# Altium PCB Mainboard_bc847c_bak.PcbDoc (part 2 of 2)
Units mm, origin at the board's own origin, x right, y up, seen from the top; angles counter-clockwise.
Board outline 200 x 58.2 mm, 2 copper layers (PWR, GND); 187 components, 194 nets, 654 pads, 78 vias.
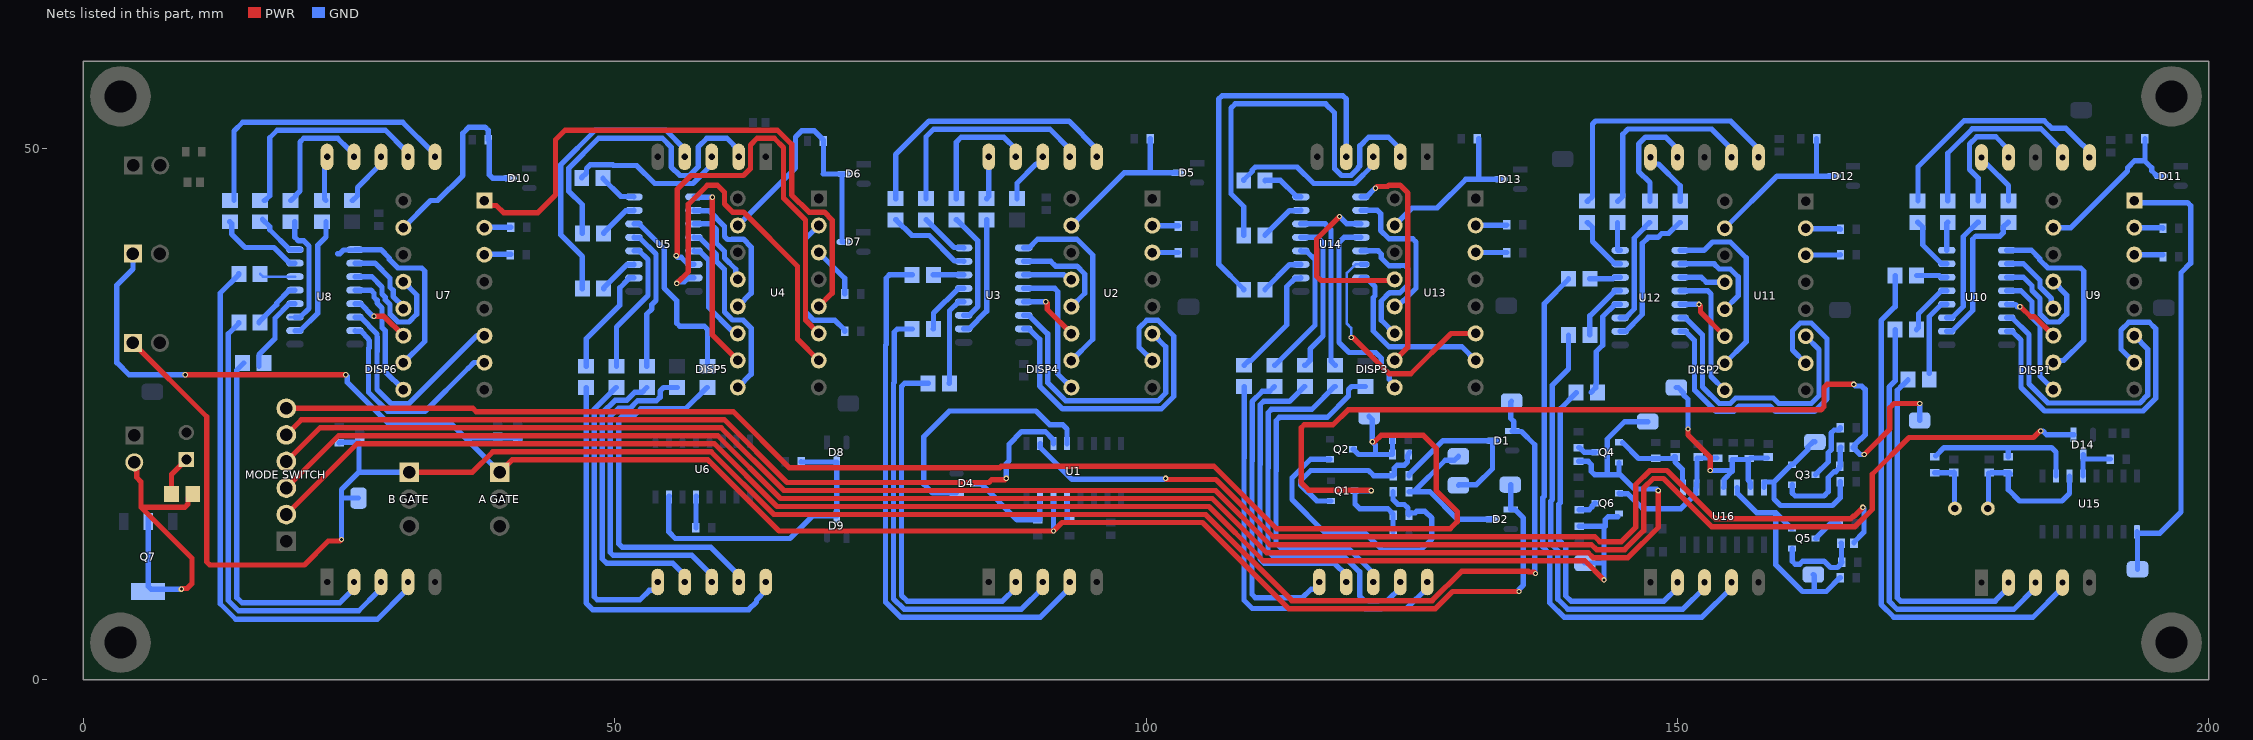
[diagram p2: the nets of this part, all layers, seen from the top]

## Via types
v1: diameter 0.5, hole 0.3, PWR to GND, 78 vias

## Nets (pads, with @x,y where several pads share a name; then routed paths per layer and width w, separated by ;. In a path a pad name is that pad's centre, name@x,y a point inside that pad or via, vN(x,y) a via of type N, cw(c..) or ccw(c..) an arc to the next point about the centre after c; other vN are vias at no path point) (continued)
"NetBramka A test_1": "A GATE.1" "A GT SW.1" C19.1 D2.1 R93.1 TP12.1 U1.14 | length 174
  PWR w0.5: v1(9.6,28.7) v1@24.6,28.7 ; 39.18,19.54 40.34,20.7 58.768,20.7 65.469,13.999 v1(91.3,13.999) 92.101,14.8 105.3,14.8 113.408,6.692 127.238,6.692 128.846,8.3 v1(135.1,8.3)
  GND w0.5: 4.67,40.1 4.67,38.67 3.154,37.154 3.154,29.846 4.3,28.7 v1(9.6,28.7) ; v1(24.7,28.7) 24.847,28.553 24.847,27.99 28.737,24.1 34.62,24.1 36.11,22.61 ; 39.18,19.54 36.11,22.61 ; R93.1@41.1,22.65 41,22.75 R93.1@40.9,22.75 36.25,22.75 36.11,22.61 ; U1.14@91.295,16.975 91.297,16.972 91.297,14.002 v1(91.3,13.999) ; TP12.1@134.3,18.361 134.313,18.347 134.313,16.028 D2.1@134.327,16.015 134.713,16.015 135.51,15.218 135.51,8.918 135.1,8.508 v1(135.1,8.3)
"NetBramka B test_1": "B GATE.1" "B GT SW.1" C20.1 D1.1 R94.1 TP13.1 TP14.1 | length 186.8
  PWR w0.5: 4.67,31.7 11.618,24.752 11.618,11.093 11.911,10.8 20.8,10.8 23.053,13.053 24.153,13.053 v1(24.3,13.2) ; 30.68,19.54 36.627,19.54 38.541,21.454 59.081,21.454 64.981,15.554 87.17,15.554 105.612,15.554 113.72,7.446 126.926,7.446 129.68,10.2 135.971,10.2 136.024,10.147 136.502,10.147 v1(136.649,10)
  GND w0.5: R94.1@24.1,22.3 24.15,22.35 25.93,22.35 25.94,22.34 25.94,19.54 ; v1(24.3,13.2) 24.3,17.1 ; TP14.1@25.9,17.1 24.3,17.1 ; 30.68,19.54 25.94,19.54 ; TP13.1@134.4,26.2 134.319,26.119 134.319,24.588 134.612,24.296 D1.1@134.612,23.415 ; D1.1@134.453,23.415 134.497,23.372 135.328,23.372 136.584,22.116 136.584,10.065 v1(136.649,10) ; 24.3,17.1 24.3,17.9 25.94,19.54
NetC1_1: C1.1 R69.1 U15.11 Y1.1 | length 14.9
  GND w0.5: Y1.1@179.217,16.117 179.28,16.18 C1.1@179.28,19.454 ; C1.1@179.511,19.482 R69.1@181.147,19.482 ; R69.1@181.347,19.367 181.232,19.482 181.147,19.397 181.147,17.88 182.21,16.817 186.19,16.817 186.9,17.527 U15.11@186.9,19.167
NetC2_1: C2.1 R70.2 Y1.2 | length 5.2
  GND w0.5: R70.2@174.217,19.467 174.242,19.492 175.999,19.492 C2.1@176.024,19.517 ; C2.1@176.071,19.471 176.071,16.163 Y1.2@176.117,16.117
NetC4_2: C4.2 Q3.1 R88.1 | length 9.2
  GND w0.5: Q3.1@160.8,18.35 160.8,17.593 161.093,17.3 163.8,17.3 164.2,17.7 164.2,19.024 164.756,19.58 164.893,19.58 165.294,19.98 R88.1@165.294,20.08 165.328,20.114 165.328,21.853 C4.2@165.362,21.887
NetC5_1: C5.1 U1.2 | length 92.8
  PWR w0.5: v1(101.845,18.955) 101.945,18.855 106.577,18.855 111.97,13.462 142.237,13.462 142.698,13.001 144.726,13.001 146.071,14.346 146.071,18.348 147.416,19.693 149.007,19.693 153.539,15.161 166.316,15.161 166.532,15.377 166.608,15.377 v1(167.454,16.222)
  GND w0.5: U1.2@90.025,22.225 90.05,22.2 90.05,21.85 93.042,18.858 101.748,18.858 v1(101.845,18.955) ; C5.1@166.615,12.867 166.615,12.942 167.569,13.896 167.569,16.108 v1(167.454,16.222)
NetC5_2: C5.2 Q5.1 R84.1 | length 8.4
  GND w0.5: Q5.1@160.8,12.35 160.8,11.168 161.093,10.875 161.507,10.875 161.798,11.166 163.802,11.166 164.408,10.56 165.072,10.56 165.365,10.853 165.365,10.96 R84.1@165.465,11.06 ; C5.2@165.415,12.867 165.44,12.842 R84.1@165.44,11.135
NetC6_2: C6.2 R78.2 R81.1 TP19.1 U16.4 U16.6 | length 20.4
  PWR w0.5: v1(151,23.6) 151,23.034 153.1,20.934 v1(153.1,19.7)
  GND w0.5: TP19.1@149.9,27.5 150.083,27.5 150.585,26.998 150.585,26.815 151,26.4 v1(151,23.6) ; v1(153.1,19.7) 155.084,19.7 155.161,19.623 ; U16.4@154.343,18.094 154.393,18.144 154.393,18.855 155.161,19.623 ; U16.6@156.883,18.094 156.883,18.569 156.661,18.791 R81.1@156.661,20.723 ; C6.2@158.465,20.873 156.911,20.873 156.761,20.723 R81.1@156.661,20.723 ; 155.161,19.623 155.161,20.723 R81.1@156.661,20.723
NetC7_2: C7.2 Q4.1 R79.2 U16.1 | length 8.7
  GND w0.5: Q4.1@144.861,22.311 146.342,20.83 R79.2@147.961,20.83 149.567,20.83 149.721,20.984 C7.2@149.796,20.984 ; C7.2@149.671,20.884 149.796,20.759 149.796,20.487 150.483,19.8 U16.1@150.483,18.569 ; U16.1@150.533,18.094 U16.1@150.533,18.569
NetC8_2: C8.2 Q6.1 R83.2 U16.2 | length 13.7
  GND w0.5: Q6.1@144.5,17.55 144.55,17.5 145.341,17.5 146.741,16.1 150.327,16.1 151.753,17.526 151.753,18.044 U16.2@151.803,18.094 151.803,18.569 151.853,18.619 151.853,20.873 R83.2@153.738,20.873
NetD3_1: D3.1 R92.1 | length 3.8
  PWR w0.5: R92.1@8.3,17.5 8.3,19.33 D3.1@9.7,20.73
NetD4_1: D4.1 U1.4 | length 24.4
  GND w0.5: D4.1@82.173,17.585 79.915,17.585 79.1,18.4 79.1,22.9 81.5,25.3 89.636,25.3 90.952,23.984 92.181,23.984 92.565,23.6 U1.4@92.565,22.225
NetD4_3: D4.3 R2.1 U1.15 | length 9.7
  GND w0.5: D4.3@84.027,18.5 84.413,18.5 87.863,15.05 90,15.05 90.012,15.062 90.012,16.625 90.012,16.962 U1.15@90.025,16.975 U1.15@90.025,16.625
NetD5_3: D5.3 R11.1 U2.15 | length 15.2
  GND w0.5: U2.15@92.98,42.74 97.94,47.7 100.444,47.7 ; R11.1@100.4,50.9 100.4,47.744 100.444,47.7 ; D5.3@102.949,47.7 100.444,47.7
NetD6_3: D6.3 D7.3 R21.1 U4.15 | length 25.5
  GND w0.5: U4.15@61.59,42.75 67.016,48.176 67.016,51.078 67.591,51.654 68.796,51.654 69.65,50.8 69.65,47.6 ; 69.6,47.6 D6.3@71.573,47.6 ; D6.3@71.44,47.6 71.4,47.56 71.4,41.24 71.44,41.2 D7.3@71.559,41.2
NetD8_3: D8.3 D9.3 R26.1 U6.15 | length 28.7
  GND w0.5: U6.15@55.125,17.275 55.1,17.25 55.1,13.9 55.7,13.3 66.5,13.3 68.627,15.427 D9.3@70.9,15.427 D8.3@70.9,20.473 70.887,20.487 67.563,20.487 R26.1@67.55,20.5 R26.1@67.538,20.512
NetD10_3: D10.3 R35.1 U7.15 | length 20.2
  GND w0.5: U7.15@30.123,42.54 32.683,45.1 33.344,45.1 35.712,47.468 35.712,51.431 36.281,52 37.801,52 38.093,51.707 R35.1@38.093,50.8 ; R35.1@38.193,50.696 38.193,50.323 38.21,50.307 38.21,47.493 38.503,47.2 D10.3@39.867,47.2
NetD11_3: D11.3 R45.1 U9.15 | length 15.7
  GND w0.5: U9.15@185.38,42.547 187.024,42.547 192.361,47.884 192.361,48.172 193.028,48.839 193.972,48.839 194.639,48.172 194.639,47.899 195.138,47.4 D11.3@195.5,47.4 ; 194,48.811 R45.1@194,50.9
NetD12_3: D12.3 R55.1 U11.15 | length 15.7
  GND w0.5: U11.15@154.461,42.485 159.37,47.394 163.1,47.394 ; R55.1@163.1,50.9 163.1,47.394 ; D12.3@164.668,47.394 163.1,47.394
NetD13_3: D13.3 R65.1 U13.15 | length 15.6
  GND w0.5: U13.15@123.39,42.75 125.04,44.4 127.4,44.4 130.1,47.1 131.3,47.1 ; R65.1@131.3,50.9 131.3,47.1 ; D13.3@133.359,47.1 131.3,47.1
NetD14_1: "MODE SWITCH.4" D14.1 | length 187
  PWR w0.5: 19.1,20.546 22.27,23.716 60.018,23.716 65.918,17.816 86.233,17.816 106.549,17.816 111.657,12.708 141.925,12.708 142.386,12.247 145.039,12.247 146.825,14.034 146.825,18.036 147.728,18.939 148.695,18.939 153.227,14.407 166.705,14.407 168.339,16.041 168.339,19.339 171.8,22.8 183.51,22.8 184.116,23.407 v1(184.188,23.407)
  GND w0.5: v1(184.188,23.407) 184.396,23.407 184.749,23.054 D14.1@187.285,23.054
NetD14_3: D14.3 R71.1 U15.12 | length 4.8
  GND w0.5: U15.12@188.17,19.167 D14.3@188.17,20.983 ; D14.3@188.2,21.201 188.2,20.838 188.267,20.771 R71.1@190.754,20.771
NetDISP1_2: DISP1.2 R41.2 | length 32.7
  GND w0.5: R41.2@171.7,28.247 171.7,28.197 171.25,27.747 171.2,27.747 170.7,27.247 170.7,7.693 170.998,7.395 179.424,7.395 179.429,7.4 179.903,7.4 181.13,8.627 DISP1.2@181.13,9.277
NetDISP1_3: DISP1.3 R40.2 | length 41.3
  GND w0.5: R40.2@170.496,32.947 170.496,28.109 169.931,27.544 169.931,7.396 170.685,6.641 181.685,6.641 183.67,8.627 DISP1.3@183.67,9.277
NetDISP1_4: DISP1.4 R39.2 | length 50.8
  GND w0.5: R39.2@170.496,38.047 170.496,35.109 169.177,33.791 169.177,7.083 170.373,5.887 183.471,5.887 186.21,8.627 DISP1.4@186.21,9.277
NetDISP1_6: DISP1.6 R38.2 | length 22.8
  GND w0.5: R38.2@172.641,45.047 172.641,48.275 176.974,52.608 184.515,52.608 185.216,51.907 186.539,51.907 188.168,50.277 188.233,50.277 188.75,49.761 DISP1.6@188.75,49.277
NetDISP1_7: DISP1.7 R37.2 | length 17.6
  GND w0.5: R37.2@175.446,45.047 175.446,49.546 177.754,51.854 184.203,51.854 186.21,49.847 DISP1.7@186.21,49.277
NetDISP1_9: DISP1.9 R42.2 | length 10.8
  GND w0.5: R42.2@178.3,45.047 178.3,47.2 177.486,48.014 177.486,50.407 178.179,51.1 179.957,51.1 181.13,49.927 DISP1.9@181.13,49.277
NetDISP1_10: DISP1.10 R43.2 | length 5.4
  GND w0.5: DISP1.10@178.59,49.277 178.59,48.816 178.913,48.493 179.158,48.493 181.154,46.497 R43.2@181.154,45.047
NetDISP2_2: DISP2.2 R51.2 | length 32
  GND w0.5: R51.2@140.471,27.035 140.471,26.985 138.992,25.506 138.992,16.658 138.846,16.512 138.846,13.139 139.5,12.485 139.5,7.9 140,7.4 148.74,7.4 150.002,8.662 DISP2.2@150.002,9.312
NetDISP2_3: DISP2.3 R50.2 | length 41.5
  GND w0.5: R50.2@139.763,32.435 139.763,29.254 138.238,27.729 138.238,16.971 138.092,16.825 138.092,12.827 138.746,12.173 138.746,7.588 139.688,6.646 150.526,6.646 152.542,8.662 DISP2.3@152.542,9.312
NetDISP2_4: DISP2.4 R49.2 | length 51.2
  GND w0.5: R49.2@139.763,37.735 139.763,37.685 137.484,35.406 137.484,17.283 137.338,17.137 137.338,12.514 137.992,11.86 137.992,7.238 139.338,5.892 152.312,5.892 155.082,8.662 DISP2.4@155.082,9.312
NetDISP2_6: DISP2.6 R48.2 | length 24.9
  GND w0.5: R48.2@141.509,45.035 141.559,45.035 142.009,45.485 142.009,52.281 142.302,52.574 155.01,52.574 157.622,49.962 DISP2.6@157.622,49.312
NetDISP2_7: DISP2.7 R47.2 | length 18.4
  GND w0.5: R47.2@144.363,45.035 144.413,45.035 144.863,45.485 144.863,51.327 145.356,51.82 153.224,51.82 155.082,49.962 DISP2.7@155.082,49.312
NetDISP2_9: DISP2.9 R52.2 | length 10.8
  GND w0.5: R52.2@147.417,45.035 147.417,46.783 146.358,47.842 146.358,50.419 147.005,51.066 148.898,51.066 150.002,49.962 DISP2.9@150.002,49.312
NetDISP2_10: DISP2.10 R53.2 | length 5.7
  GND w0.5: DISP2.10@147.462,49.312 147.462,48.852 147.785,48.528 148.229,48.528 150.271,46.485 R53.2@150.271,45.035
NetDISP3_2: DISP3.2 R58.2 | length 38.2
  GND w0.5: R58.2@109.2,41.8 109.2,44.527 107.996,45.731 107.996,53.796 108.398,54.198 116.902,54.198 117.744,53.356 117.744,48.093 118.391,47.446 119.306,47.446 119.952,48.093 119.952,48.193 120.118,48.359 120.118,50.241 120.931,51.054 122.824,51.054 123.928,49.95 DISP3.2@123.928,49.3
NetDISP3_3: DISP3.3 R57.2 | length 15
  GND w0.5: R57.2@109.2,47 109.2,47.05 109.996,47.846 109.996,47.959 110.291,48.254 114.224,48.254 115.786,46.692 119.618,46.692 121.388,48.462 DISP3.3@121.388,49.3
NetDISP3_4: DISP3.4 R62.2 | length 36.5
  GND w0.5: R62.2@109.2,36.7 109.2,36.75 106.836,39.114 106.836,54.643 107.145,54.952 118.54,54.952 118.848,54.643 DISP3.4@118.848,49.3
NetDISP3_6: DISP3.6 R61.2 | length 28.2
  GND w0.5: R61.2@112.091,27.6 111.641,27.15 110.95,27.15 109.991,26.191 109.991,20.589 109.968,20.566 109.968,8.049 110.284,7.733 114.741,7.733 115.524,8.516 115.985,8.516 116.308,8.839 DISP3.6@116.308,9.3
NetDISP3_7: DISP3.7 R60.2 | length 28.7
  GND w0.5: R60.2@114.946,27.6 114.896,27.6 113.496,26.2 111.066,26.2 110.745,25.879 110.745,20.277 110.722,20.253 110.722,11.37 111.138,10.954 117.744,10.954 118.848,9.85 DISP3.7@118.848,9.3
NetDISP3_8: DISP3.8 R68.2 | length 32.7
  GND w0.5: R68.2@120.654,27.6 119.347,27.6 119.054,27.307 119.054,26.691 117.055,24.692 112.546,24.692 112.253,24.399 112.253,19.652 112.23,19.629 112.23,12.878 112.646,12.462 118.964,12.462 121.388,10.038 DISP3.8@121.388,9.3
NetDISP3_9: DISP3.9 R59.2 | length 37.2
  GND w0.5: R59.2@117.8,27.6 117.75,27.6 115.596,25.446 111.792,25.446 111.499,25.153 111.499,19.964 111.476,19.941 111.476,12.124 111.892,11.708 118.552,11.708 120.1,10.16 120.1,7.893 120.539,7.454 120.923,7.454 120.931,7.446 121.846,7.446 121.854,7.454 122.732,7.454 123.928,8.65 DISP3.9@123.928,9.3
NetDISP3_10: DISP3.10 R63.2 | length 39.2
  GND w0.5: R63.2@109.237,27.6 109.237,20.901 109.214,20.878 109.214,7.486 110,6.7 120.611,6.7 120.619,6.692 122.158,6.692 122.166,6.7 124.518,6.7 126.468,8.65 DISP3.10@126.468,9.3
NetDISP4_2: DISP4.2 R7.2 | length 34.4
  GND w0.5: R7.2@79.5,27.9 77.293,27.9 77,27.607 77,7.933 77.533,7.4 86.49,7.4 87.74,8.65 DISP4.2@87.74,9.3
NetDISP4_3: DISP4.3 R6.2 | length 42.8
  GND w0.5: R6.2@77.991,33 76.607,33 76.314,32.707 76.314,27.988 76.246,27.919 76.246,7.62 77.22,6.646 88.276,6.646 90.28,8.65 DISP4.3@90.28,9.3
NetDISP4_4: DISP4.4 R5.2 | length 52.8
  GND w0.5: R5.2@77.991,38.1 75.853,38.1 75.56,37.807 75.56,31.565 75.492,31.497 75.492,7.308 76.908,5.892 90.062,5.892 92.82,8.65 DISP4.4@92.82,9.3
NetDISP4_6: DISP4.6 R4.2 | length 26.1
  GND w0.5: R4.2@76.444,45.274 76.446,45.277 76.446,49.412 79.596,52.562 92.748,52.562 95.36,49.95 DISP4.6@95.36,49.3
NetDISP4_7: DISP4.7 R3.2 | length 21.1
  GND w0.5: R3.2@79.298,45.274 79.298,51.098 80.008,51.808 85.97,51.808 85.978,51.8 90.97,51.8 92.82,49.95 DISP4.7@92.82,49.3
NetDISP4_8: DISP4.8 R23.2 | length 5.2
  GND w0.5: R23.2@87.861,45.274 87.861,46.724 89.653,48.516 89.957,48.516 90.28,48.839 DISP4.8@90.28,49.3
NetDISP4_9: DISP4.9 R8.2 | length 12.2
  GND w0.5: R8.2@82.152,45.274 82.152,50.607 82.599,51.054 85.657,51.054 85.665,51.046 86.644,51.046 87.74,49.95 DISP4.9@87.74,49.3
NetDISP4_10: DISP4.10 R9.2 | length 4.1
  GND w0.5: R9.2@85.006,45.274 85.2,45.468 DISP4.10@85.2,49.3
NetDISP5_2: DISP5.2 R14.2 | length 30
  GND w0.5: R14.2@46.962,42 46.962,44.696 45.696,45.962 45.696,48.159 48.491,50.954 54.509,50.954 55.322,50.141 55.322,48.259 56.134,47.446 57.049,47.446 57.862,48.259 57.862,50.141 58.674,50.954 60.568,50.954 61.672,49.85 DISP5.2@61.672,49.2
NetDISP5_3: DISP5.3 R13.2 | length 15.2
  GND w0.5: R13.2@46.9,47.25 47.35,47.7 47.35,48.107 47.697,48.454 49.809,48.454 49.863,48.4 52.07,48.4 53.778,46.692 57.361,46.692 59.132,48.462 DISP5.3@59.132,49.2
NetDISP5_4: DISP5.4 R18.2 | length 27
  GND w0.5: R18.2@46.962,36.8 46.962,39.837 44.942,41.857 44.942,48.471 48.179,51.708 54.821,51.708 56.592,49.938 DISP5.4@56.592,49.2
NetDISP5_6: DISP5.6 R17.2 | length 27.6
  GND w0.5: R17.2@50.171,27.5 50.121,27.5 48.07,25.45 48.07,7.822 48.363,7.529 52.381,7.529 53.268,8.416 53.728,8.416 54.052,8.739 DISP5.6@54.052,9.2
NetDISP5_7: DISP5.7 R16.2 | length 28
  GND w0.5: R16.2@53.025,27.5 52.575,27.05 51.884,27.05 51.13,26.296 50.033,26.296 48.824,25.087 48.824,11.393 49.263,10.954 55.488,10.954 56.592,9.85 DISP5.7@56.592,9.2
NetDISP5_8: DISP5.8 R24.2 | length 31.6
  GND w0.5: R24.2@55.879,27.5 54.6,27.5 54.279,27.179 54.279,26.591 53.942,26.254 52.154,26.254 51.442,25.542 50.365,25.542 49.578,24.756 49.578,12.001 49.871,11.708 57.274,11.708 59.132,9.85 DISP5.8@59.132,9.2
NetDISP5_9: DISP5.9 R15.2 | length 34.4
  GND w0.5: R15.2@58.734,27.5 58.684,27.5 56.684,25.5 52.466,25.5 51.754,24.788 50.693,24.788 50.4,24.495 50.4,12.778 50.693,12.485 59.037,12.485 61.672,9.85 DISP5.9@61.672,9.2
NetDISP5_10: DISP5.10 R19.2 | length 39.1
  GND w0.5: R19.2@47.316,27.5 47.316,7.216 47.933,6.6 62.607,6.6 63.342,7.335 63.342,7.51 64.212,8.379 DISP5.10@64.212,9.2
NetDISP6_2: DISP6.2 R31.2 | length 34.4
  GND w0.5: R31.2@15.1,29.8 14.443,29.143 14.443,7.733 14.93,7.246 24.139,7.246 24.451,7.558 25.243,8.35 DISP6.2@25.243,9
NetDISP6_3: DISP6.3 R30.2 | length 42.5
  GND w0.5: R30.2@14.643,33.6 14.643,33.55 13.643,32.55 13.643,27 13.639,26.751 13.639,7.47 13.786,7.324 14.618,6.492 25.925,6.492 27.783,8.35 DISP6.3@27.783,9
NetDISP6_4: DISP6.4 R29.2 | length 51.6
  GND w0.5: R29.2@14.643,38.2 14.643,38.15 12.885,36.392 12.885,7.158 14.343,5.7 27.673,5.7 30.323,8.35 DISP6.4@30.323,9
NetDISP6_6: DISP6.6 R28.2 | length 27.4
  GND w0.5: R28.2@14.189,45.1 14.189,51.646 15.005,52.462 30.051,52.462 32.863,49.65 DISP6.6@32.863,49
NetDISP6_7: DISP6.7 R27.2 | length 20.8
  GND w0.5: R27.2@17.043,45.1 17.093,45.1 17.543,45.55 17.543,51 18.251,51.708 28.435,51.708 30.323,49.82 DISP6.7@30.323,49
NetDISP6_8: DISP6.8 R67.2 | length 5
  GND w0.5: R67.2@25.298,45.1 25.348,45.1 25.798,45.55 25.798,46.328 27.791,48.321 DISP6.8@27.791,48.992
NetDISP6_9: DISP6.9 R32.2 | length 12.2
  GND w0.5: R32.2@19.498,45.1 19.548,45.1 19.998,45.55 19.998,45.6 20.398,46 20.398,50.607 20.745,50.954 23.939,50.954 24.91,49.984 25.157,49.984 25.243,49.897 DISP6.9@25.243,49
NetDISP6_10: DISP6.10 R33.2 | length 4
  GND w0.5: DISP6.10@22.703,49 22.703,45.24 R33.2@22.843,45.1
"NetPrelacznik trybu_2": "MODE SWITCH.2" Q6.2 R85.1 TP18.1 | length 143.3
  PWR w0.5: 19.1,15.546 25.762,22.208 59.393,22.208 65.293,16.308 86.858,16.308 105.925,16.308 111.033,11.2 141.3,11.2 v1(143.1,9.4)
  GND w0.5: R85.1@140.774,14.45 143.2,14.45 143.2,15.057 143.493,15.35 144.4,15.35 ; TP18.1@141.3,10.989 143.011,10.989 143.1,10.9 ; v1(143.1,9.4) 143.1,10.9 ; 143.1,14.45 143.1,10.9
"NetPrelacznik trybu_3": "MODE SWITCH.3" Q4.2 R82.1 TP16.1 | length 158.6
  PWR w0.5: 19.1,18.046 24.016,22.962 59.705,22.962 65.605,17.062 86.546,17.062 106.237,17.062 111.345,11.954 141.612,11.954 142.073,11.493 145.351,11.493 148.2,14.342 v1(148.2,17.8)
  GND w0.5: R82.1@140.7,20.55 141.607,20.55 141.9,20.257 141.9,19.6 142.2,19.3 143.404,19.3 ; Q4.2@144.5,20.45 144.5,19.407 144.607,19.3 ; TP16.1@147.2,24.29 145.053,24.29 143.404,22.641 143.404,19.3 ; v1(148.2,17.8) 148.053,17.947 145.96,17.947 144.607,19.3 ; 143.404,19.3 144.607,19.3
"NetPrelacznik trybu_5": "MODE SWITCH.5" U1.3 | length 79.6
  PWR w0.5: 19.1,23.046 20.524,24.47 60.33,24.47 66.23,18.57 85.209,18.57 85.459,18.82 86.709,18.82 v1(86.844,18.955)
  GND w0.5: v1(86.844,18.955) 86.85,18.961 86.85,20.34 87.1,20.59 87.1,22.154 88.3,23.354 90.516,23.354 91.295,22.575 U1.3@91.295,22.225
NetQ1_1: Q1.1 R74.1 R76.2 | length 16.4
  GND w0.5: Q1.1@117.4,16.821 116.079,16.821 114.557,18.343 114.557,18.757 115.5,19.7 120.937,19.7 121.437,19.2 R76.2@123.25,19.2 123.35,19.3 123.35,19.907 123.643,20.2 124.307,20.2 124.6,20.493 124.6,21.103 R74.1@124.697,21.2 124.697,21.3 R74.1@124.797,21.4
NetQ2_1: Q2.1 R75.2 R77.2 | length 29.7
  GND w0.5: Q2.1@117.3,20.75 115.484,20.75 113.738,19.004 113.738,16.962 116.73,13.97 120.482,13.97 122.26,12.192 125.853,12.192 126.9,13.239 126.9,15.207 126.253,15.854 125.488,15.854 125.334,15.7 124.85,15.7 124.75,15.6 R75.2@124.75,15.5 124.65,15.6 124.65,16.15 124.3,16.5 123.7,16.5 123.25,16.95 R77.2@123.25,17.7
NetQ3_2: Q3.2 R87.1 TP15.1 U16.7 | length 16.9
  GND w0.5: U16.7@158.153,18.094 158.153,18.569 158.203,18.619 159.094,18.619 ; TP15.1@162.947,22.386 162.764,22.386 162.262,21.884 162.262,21.637 160.875,20.25 Q3.2@160.8,20.25 160.725,20.25 159.094,18.619 ; R87.1@165.315,18.626 165.315,17.115 164.6,16.4 159.716,16.4 159.094,17.023 159.094,18.619
NetQ3_3: Q3.3 R80.2 | length 5.6
  GND w0.5: Q3.3@163,19.3 164.2,20.5 164.2,21.371 164.467,21.638 164.467,23.213 164.76,23.506 165.215,23.506 165.315,23.606 R80.2@165.315,23.706
NetQ4_3: Q4.3 R86.2 | length 1.8
  GND w0.5: R86.2@140.7,21.85 140.8,21.85 141.25,21.4 Q4.3@142.3,21.4
NetQ5_2: Q5.2 R91.1 TP17.1 U16.5 | length 21.2
  GND w0.5: U16.5@155.613,18.094 155.663,18.044 155.663,17.526 157.484,15.705 159.27,15.705 ; Q5.2@160.8,14.25 160.725,14.25 159.27,15.705 ; TP17.1@162.8,9.9 162.894,9.806 162.894,8.3 ; R91.1@165.315,9.606 164.009,8.3 162.894,8.3 ; 159.27,15.705 159.27,10.809 161.779,8.3 162.894,8.3
NetQ5_3: Q5.3 R89.2 | length 2.8
  GND w0.5: Q5.3@163,13.3 163.075,13.3 163.125,13.35 163.125,13.425 164.372,14.672 R89.2@165.215,14.672
NetQ6_3: Q6.3 R90.2 | length 1.8
  GND w0.5: R90.2@140.774,16.004 141.704,16.004 141.997,16.297 141.997,16.372 142.225,16.6 Q6.3@142.3,16.6
NetQ7_2: PWR.2 Q7.2 Q7.4 R92.2 | length 30.3
  PWR w0.5: PWR.2@4.8,20.46 5.03,20.23 5.03,19.03 5.43,18.63 5.43,16.237 ; v1(9.232,8.532) 9.284,8.584 9.771,8.584 10.23,9.043 10.23,11.437 5.43,16.237 ; R92.2@10.3,17.5 9.85,17.05 9.85,16.529 9.557,16.237 5.43,16.237
  GND w0.5: Q7.4@6.1,8.8 6.368,8.532 v1@9.159,8.532 ; Q7.4@6.101,8.801 Q7.2@6.101,15.399
NetR1_1: R1.1 U1.13 | length 2.3
  GND w0.5: U1.13@92.565,16.625 U1.13@92.565,16.975 92.582,16.957 92.582,15.067 R1.1@92.6,15.05
NetR3_1: R3.1 U3.16 | length 4.6
  GND w0.5: R3.1@79.298,43.274 79.348,43.274 81.949,40.674 82.817,40.674 U3.16@82.846,40.645
NetR4_1: R4.1 U3.15 | length 8
  GND w0.5: R4.1@76.444,43.274 76.494,43.274 77.968,41.8 79.6,41.8 81.996,39.404 82.817,39.404 U3.15@82.846,39.375
NetR5_1: R5.1 U3.14 | length 2.9
  GND w0.5: R5.1@79.991,38.1 79.996,38.105 U3.14@82.846,38.105
NetR6_1: R6.1 U3.13 | length 5.3
  GND w0.5: R6.1@79.991,33 80.011,33.019 80.011,34.5 82.346,36.835 U3.13@82.846,36.835
NetR7_1: R7.1 U3.12 | length 8.5
  GND w0.5: R7.1@81.5,27.9 81.509,27.909 81.509,34.728 82.346,35.565 U3.12@82.846,35.565
NetR8_1: R8.1 U3.11 | length 10.7
  GND w0.5: R8.1@82.152,43.274 82.202,43.274 84.175,41.302 84.175,35.124 83.346,34.295 U3.11@82.846,34.295
NetR9_1: R9.1 U3.10 | length 11.4
  GND w0.5: U3.10@82.846,33.025 83.346,33.025 85.006,34.686 R9.1@85.006,43.274
NetR10_1: R10.1 U2.2 | length 2.5
  GND w0.5: U2.2@100.6,42.74 100.62,42.72 103.03,42.72 R10.1@103.05,42.7
NetR12_1: R12.1 U2.3 | length 2.5
  GND w0.5: U2.3@100.6,40.2 R12.1@103.05,40.2
NetR13_1: R13.1 U5.16 | length 3.7
  GND w0.5: R13.1@48.9,47.2 48.9,47.15 50.581,45.469 51.788,45.469 U5.16@51.816,45.44
NetR14_1: R14.1 U5.15 | length 3.8
  GND w0.5: R14.1@48.962,42 48.962,42.05 51.054,44.141 51.788,44.141 U5.15@51.816,44.17
NetR15_1: R15.1 U5.14 | length 17.9
  GND w0.5: U5.14@51.816,42.9 52.316,42.9 54.653,40.563 54.653,36.875 55.839,35.689 55.839,33.559 56.132,33.266 58.441,33.266 58.734,32.974 R15.1@58.734,29.5
NetR16_1: R16.1 U5.13 | length 13.6
  GND w0.5: U5.13@51.816,41.63 51.865,41.581 52.365,41.581 53.899,40.047 53.899,38.594 53.899,35.699 53.5,35.3 53.5,34.886 53.025,34.411 R16.1@53.025,29.5
NetR17_1: R17.1 U5.12 | length 12.9
  GND w0.5: R17.1@50.171,29.5 50.171,33.204 53.145,36.179 53.145,39.531 52.316,40.36 U5.12@51.816,40.36
NetR18_1: R18.1 U5.11 | length 3.8
  GND w0.5: R18.1@48.962,36.8 48.962,36.85 51.174,39.061 51.788,39.061 U5.11@51.816,39.09
NetR19_1: R19.1 U5.10 | length 10.5
  GND w0.5: R19.1@47.316,29.5 47.316,32.083 50.487,35.254 50.487,36.893 51.241,37.647 51.241,37.704 51.357,37.82 U5.10@51.816,37.82
NetR20_1: R20.1 U4.2 | length 13.4
  GND w0.5: U4.2@69.21,42.479 U4.2@69.21,42.75 67.956,41.496 67.956,34.611 68.723,33.844 70.706,33.844 71.65,32.9 R20.1@71.65,32.8
NetR22_1: R22.1 U4.3 | length 4.9
  GND w0.5: U4.3@69.21,40.21 71.65,37.77 R22.1@71.65,36.3
NetR25_1: R25.1 U6.13 | length 3
  GND w0.5: R25.1@57.65,14.3 57.658,14.307 57.658,17.197 U6.13@57.665,17.204 U6.13@57.665,17.275
NetR27_1: R27.1 U8.16 | length 4.9
  GND w0.5: R27.1@16.868,43.325 17.543,42.65 17.543,42.346 19.418,40.471 U8.16@19.918,40.471 U8.16@20.418,40.471
NetR28_1: R28.1 U8.15 | length 8.3
  GND w0.5: R28.1@13.789,43.1 13.957,42.932 13.957,41.943 15.223,40.677 17.942,40.677 19.418,39.201 U8.15@19.918,39.201
NetR29_1: R29.1 U8.14 | length 3.4
  GND w0.254: R29.1@16.643,38.2 16.913,37.931 U8.14@19.918,37.931
NetR30_1: R30.1 U8.13 | length 4.8
  GND w0.5: R30.1@16.543,33.6 16.543,33.65 18.192,35.298 18.192,35.434 19.418,36.661 U8.13@19.918,36.661
NetR31_1: R31.1 U8.12 | length 7.4
  GND w0.5: R31.1@16.543,29.5 R31.1@16.543,30.4 ; 16.543,30.6 18.043,32.1 18.043,34.016 19.418,35.391 U8.12@19.918,35.391
NetR32_1: R32.1 U8.11 | length 11.2
  GND w0.254: U8.11@19.418,34.121 U8.11@19.918,34.121
  GND w0.5: R32.1@19.898,43.1 19.898,41.65 20.248,41.3 20.762,41.3 21.247,40.814 21.247,34.95 20.418,34.121 U8.11@19.918,34.121
NetR33_1: R33.1 U8.10 | length 11.8
  GND w0.5: U8.10@19.918,32.851 20.418,32.851 22.05,34.483 22.05,40.884 22.843,41.677 R33.1@22.843,43.1
NetR34_1: R34.1 U7.2 | length 2.5
  GND w0.5: U7.2@37.743,42.54 37.773,42.57 40.213,42.57 R34.1@40.243,42.6
NetR36_1: R36.1 U7.3 | length 2.5
  GND w0.5: U7.3@37.743,40 37.793,40.05 R36.1@40.243,40.05
NetR37_1: R37.1 U10.16 | length 2.7
  GND w0.5: U10.16@175.35,40.417 175.35,42.951 R37.1@175.446,43.047
NetR38_1: R38.1 U10.15 | length 5.4
  GND w0.5: R38.1@172.591,43.047 172.641,43.047 173.091,42.597 173.091,40.906 174.85,39.147 U10.15@175.35,39.147
NetR39_1: R39.1 U10.14 | length 2.9
  GND w0.5: R39.1@172.496,38.047 174.64,38.047 174.809,37.877 U10.14@175.35,37.877
NetR40_1: R40.1 U10.13 | length 5.1
  GND w0.5: R40.1@172.496,32.947 172.689,33.14 172.689,34.447 174.85,36.607 U10.13@175.35,36.607
NetR41_1: R41.1 U10.12 | length 7.5
  GND w0.5: R41.1@173.7,28.846 173.7,34.187 174.85,35.337 U10.12@175.35,35.337
NetR42_1: R42.1 U10.11 | length 10.5
  GND w0.5: U10.11@175.35,34.067 175.85,34.067 176.9,35.117 176.9,41.697 178.25,43.047 R42.1@178.3,43.047
NetR43_1: R43.1 U10.10 | length 14.3
  GND w0.5: U10.10@175.35,32.797 175.85,32.797 177.8,34.747 177.8,41.454 178.093,41.747 180.361,41.747 180.654,42.04 180.654,42.597 181.104,43.047 R43.1@181.154,43.047
NetR44_1: R44.1 U9.2 | length 2.7
  GND w0.5: U9.2@193,42.547 193.023,42.523 195.677,42.523 R44.1@195.7,42.5
NetR46_1: R46.1 U9.3 | length 2.7
  GND w0.5: U9.3@193.02,40.027 U9.3@193,40.007 193.003,40.003 195.697,40.003 R46.1@195.7,40
NetR47_1: R47.1 U12.16 | length 2.8
  GND w0.5: R47.1@144.363,43.035 144.363,40.475 144.432,40.406 U12.16@144.617,40.406
NetR48_1: R48.1 U12.15 | length 5.5
  GND w0.5: R48.1@141.509,43.035 141.559,43.035 142.009,42.585 142.009,41.245 144.117,39.136 U12.15@144.617,39.136
NetR49_1: R49.1 U12.14 | length 2.9
  GND w0.5: R49.1@141.763,37.735 143.946,37.735 144.077,37.866 U12.14@144.617,37.866
NetR50_1: R50.1 U12.13 | length 5.6
  GND w0.5: R50.1@141.763,32.435 141.763,34.242 144.117,36.596 U12.13@144.617,36.596
NetR51_1: R51.1 U12.12 | length 9.7
  GND w0.5: R51.1@141.871,27.035 142.321,27.485 142.321,27.778 142.371,27.828 142.371,30.881 142.98,31.49 142.98,34.189 144.117,35.326 U12.12@144.617,35.326
NetR52_1: R52.1 U12.11 | length 10.5
  GND w0.5: U12.11@144.617,34.056 145.117,34.056 145.946,34.885 145.946,41.564 146.917,42.535 146.917,42.585 147.367,43.035 R52.1@147.417,43.035
NetR53_1: R53.1 U12.10 | length 13.8
  GND w0.5: U12.10@144.617,32.786 145.117,32.786 146.7,34.369 146.7,41.064 147.271,41.635 148.18,41.635 148.534,41.989 149.175,41.989 150.221,43.035 R53.1@150.271,43.035
NetR54_1: R54.1 U11.2 | length 3.3
  GND w0.5: U11.2@162.081,42.485 162.124,42.443 165.307,42.443 R54.1@165.35,42.4
NetR56_1: R56.1 U11.3 | length 3.3
  GND w0.5: U11.3@162.086,39.94 U11.3@162.081,39.945 162.109,39.973 165.323,39.973 R56.1@165.35,40
NetR57_1: R57.1 U14.16 | length 4.1
  GND w0.5: R57.1@111.2,46.95 R57.1@111.2,47 112.65,47 114.046,45.604 114.046,45.514 114.116,45.445 U14.16@114.575,45.445
NetR58_1: R58.1 U14.15 | length 4.4
  GND w0.5: R58.1@111.2,41.8 111.2,41.85 113.496,44.146 114.546,44.146 U14.15@114.575,44.175
NetR59_1: R59.1 U14.14 | length 16
  GND w0.5: U14.14@114.575,42.905 116.853,42.905 117.412,42.346 117.412,29.988 R59.1@117.8,29.6
NetR60_1: R60.1 U14.13 | length 14.6
  GND w0.5: U14.13@114.575,41.635 116.15,41.635 116.658,41.127 116.658,32.346 115.446,31.133 115.446,30.05 114.996,29.6 R60.1@114.946,29.6
NetR61_1: R61.1 U14.12 | length 13.2
  GND w0.5: R61.1@112.091,29.6 112.141,29.6 115.904,33.363 115.904,39.536 115.124,40.316 114.624,40.316 U14.12@114.575,40.365
NetR62_1: R62.1 U14.11 | length 4.9
  GND w0.5: R62.1@111.2,36.7 111.2,36.75 113.516,39.066 114.546,39.066 U14.11@114.575,39.095 U14.11@114.075,39.095
NetR63_1: R63.1 U14.10 | length 10.9
  GND w0.5: R63.1@109.237,29.6 109.687,30.05 109.907,30.05 113.246,33.389 113.246,36.996 114.026,37.776 114.526,37.776 U14.10@114.575,37.825
NetR64_1: R64.1 U13.2 | length 3
  GND w0.5: U13.2@131.01,42.75 131.035,42.775 133.925,42.775 R64.1@133.95,42.8
NetR66_1: R66.1 U13.3 | length 2.9
  GND w0.5: U13.3@131.01,40.21 131.015,40.205 133.945,40.205 R66.1@133.95,40.2
NetR69_2: R69.2 R70.1 U15.10 | length 15
  GND w0.5: R70.1@174.317,21.067 175.096,21.846 181.117,21.846 ; R69.2@181.147,20.967 181.147,21.816 181.117,21.846 ; U15.10@185.63,19.167 185.63,21.417 185.201,21.846 181.117,21.846
NetTP6_1: TP6.1 U9.1 U15.1 | length 43.2
  GND w0.5: U9.1@193,45.087 193.186,44.901 196.35,44.901 ; U15.1@193.25,13.917 U15.1@193.25,13.825 ; TP6.1@193.3,10.4 193.3,13.517 193.25,13.567 U15.1@193.25,13.825 ; 196.35,44.9 198.007,44.9 198.3,44.607 198.3,39.2 197.4,38.3 197.4,15.8 195.4,13.8 193.275,13.8 U15.1@193.25,13.825
NetU2_6: U2.6 U3.6 | length 25.8
  GND w0.5: U3.6@88.496,34.295 88.996,34.295 90.743,32.548 90.743,27.964 92.461,26.246 101.119,26.246 101.854,26.981 101.854,31.326 U2.6@100.6,32.58
NetU2_7: U2.7 U3.7 | length 33.7
  GND w0.5: U3.7@88.496,33.025 88.996,33.025 89.989,32.032 89.989,27.652 92.148,25.492 101.432,25.492 102.608,26.668 102.608,32.345 101.119,33.834 100.081,33.834 99.346,33.099 99.346,31.294 U2.7@100.6,30.04
NetU2_9: U2.9 U3.4 | length 12.9
  GND w0.5: U3.4@88.496,36.835 91.407,36.835 91.7,36.542 91.7,28.78 U2.9@92.98,27.5
NetU2_10: U2.10 U3.1 | length 18.2
  GND w0.5: U3.1@88.496,40.645 88.996,40.645 89.805,41.454 93.499,41.454 94.988,39.965 94.988,32.048 U2.10@92.98,30.04
NetU2_11: U2.11 U3.5 | length 6.1
  PWR w0.5: v1(90.561,35.565) 90.708,35.418 90.708,34.852 U2.11@92.98,32.58
  GND w0.5: U3.5@88.496,35.565 v1(90.561,35.565)
NetU2_12: U2.12 U3.2 | length 9.8
  GND w0.5: U3.2@88.496,39.375 91.033,39.375 91.483,38.925 93.489,38.925 94.234,38.179 94.234,36.374 U2.12@92.98,35.12
NetU2_13: U2.13 U3.3 | length 4.7
  GND w0.5: U3.3@88.496,38.105 92.264,38.105 92.709,37.66 U2.13@92.98,37.66
NetU4_5: U4.5 U7.1 | length 54.4
  PWR w0.5: U7.1@37.743,45.08 38.186,44.638 38.862,44.638 39.539,43.961 42.772,43.961 44.431,45.62 44.431,50.814 45.325,51.708 65.333,51.708 66.652,50.389 66.652,45.635 68.283,44.004 69.729,44.004 70.464,43.269 70.464,36.384 U4.5@69.21,35.13
NetU4_6: U4.6 U5.6 | length 40.8
  PWR w0.5: v1(55.792,39.91) 55.9,40.017 55.9,46.166 57.18,47.446 62.129,47.446 62.776,48.093 62.776,50.327 63.403,50.954 65.021,50.954 65.898,50.077 65.898,45.323 67.956,43.265 67.956,33.844 U4.6@69.21,32.59
  GND w0.5: v1(55.792,39.91) 55.94,39.763 56.253,39.763 56.926,39.09 U5.6@57.466,39.09
NetU4_7: U4.7 U5.7 | length 34.3
  PWR w0.5: v1(55.839,37.3) 56.931,38.392 56.931,44.745 58.725,46.539 59.669,46.539 60.336,45.872 60.336,44.771 61.103,44.004 62.109,44.004 67.202,38.911 67.202,32.058 U4.7@69.21,30.05
  GND w0.5: v1(55.839,37.3) 55.986,37.447 56.553,37.447 56.926,37.82 U5.7@57.466,37.82
NetU4_9: U4.9 U5.4 | length 17.7
  GND w0.5: U5.4@57.466,41.63 57.515,41.581 58.015,41.581 59.582,40.014 59.582,39.378 60.336,38.624 60.336,34.611 61.087,33.86 62.093,33.86 62.844,33.109 62.844,28.764 U4.9@61.59,27.51
NetU4_10: U4.10 U5.1 | length 18.1
  PWR w0.5: v1(59.197,45.4) 59.197,32.443 U4.10@61.59,30.05
  GND w0.5: U5.1@57.466,45.44 57.486,45.42 59.177,45.42 v1(59.197,45.4)
NetU4_11: U4.11 U5.5 | length 9.9
  GND w0.5: U5.5@57.466,40.36 57.515,40.311 58.015,40.311 58.828,39.498 58.828,35.052 61.099,32.781 61.399,32.781 U4.11@61.59,32.59
NetU4_12: U4.12 U5.2 | length 13.5
  GND w0.5: U5.2@57.466,44.17 57.495,44.141 58.867,44.141 60.336,42.672 60.336,41.729 60.629,41.437 61.043,41.437 61.071,41.464 62.109,41.464 62.844,40.729 62.844,36.384 U4.12@61.59,35.13
NetU4_13: U4.13 U5.3 | length 7.9
  GND w0.5: U5.3@57.466,42.9 59.041,42.9 59.582,42.359 59.582,41.081 60.336,40.327 60.336,39.691 61.399,38.628 61.399,37.861 U4.13@61.59,37.67
NetU7_6: U7.6 U8.6 | length 20.6
  GND w0.5: U8.6@25.568,34.121 26.068,34.121 27.643,32.546 27.643,32.244 27.651,32.236 27.651,30.925 27.643,30.917 27.643,27.327 28.97,26 30.663,26 U7.6@37.053,32.39
NetU7_7: U7.7 U8.7 | length 19.5
  GND w0.5: U8.7@25.568,32.851 25.617,32.802 26.117,32.802 26.843,32.076 26.843,31.978 26.897,31.924 26.897,31.237 26.843,31.183 26.843,27.06 28.658,25.246 32.15,25.246 36.222,29.318 36.251,29.318 36.783,29.85 U7.7@37.053,29.85
NetU7_9: U7.9 U8.4 | length 12.1
  GND w0.5: U8.4@25.568,36.661 27.069,36.661 27.361,36.368 27.361,35.996 27.651,35.706 27.651,35.453 28.115,34.989 28.115,33.14 28.405,32.85 28.405,29.018 U7.9@30.123,27.3
NetU7_10: U7.10 U8.1 | length 18.7
  GND w0.5: 23.943,40.1 24.152,40.1 24.494,40.442 25.54,40.442 U8.1@25.568,40.471 27.999,40.471 28.801,39.668 28.801,39.549 29.604,38.746 31.839,38.746 32.131,38.453 32.131,31.848 U7.10@30.123,29.84
NetU7_11: U7.11 U8.5 | length 5.8
  PWR w0.5: v1(27.361,34.2) 28.303,34.2 U7.11@30.123,32.38
  GND w0.5: U8.5@25.568,35.391 26.068,35.391 27.259,34.2 v1(27.361,34.2)
NetU7_12: U7.12 U8.2 | length 7.3
  GND w0.5: U8.2@25.568,39.201 27.451,39.201 28.869,37.782 28.869,36.941 29.159,36.651 29.159,36.077 30.123,35.113 U7.12@30.123,34.92
NetU7_13: U7.13 U8.3 | length 12.5
  GND w0.5: U8.3@25.568,37.931 27.143,37.931 28.115,36.959 28.115,36.308 28.405,36.018 28.405,35.765 28.869,35.301 28.869,34.401 29.604,33.666 30.643,33.666 31.377,34.401 31.377,36.206 U7.13@30.123,37.46
NetU9_6: U9.6 U10.6 | length 25.7
  GND w0.5: U10.6@181,34.067 181.5,34.067 183.083,32.484 183.083,27.83 184.861,26.053 193.519,26.053 194.254,26.787 194.254,31.133 U9.6@193,32.387
NetU9_7: U9.7 U10.7 | length 34.2
  GND w0.5: U10.7@181,32.797 181.5,32.797 182.329,31.968 182.329,27.518 184.548,25.299 193.832,25.299 195.008,26.475 195.008,33.039 194.406,33.641 192.481,33.641 191.746,32.906 191.746,31.101 U9.7@193,29.847
NetU9_9: U9.9 U10.4 | length 11.9
  GND w0.5: U10.4@181,36.607 182.333,36.607 183.372,35.569 183.372,34.095 184.126,33.341 184.126,28.561 U9.9@185.38,27.307
NetU9_10: U9.10 U10.1 | length 18.4
  GND w0.5: U10.1@181,40.417 183.313,40.417 184.087,39.643 184.087,39.527 184.861,38.753 187.946,38.753 188.239,38.46 188.239,31.928 186.349,30.038 185.571,30.038 U9.10@185.38,29.847
NetU9_11: U9.11 U10.5 | length 5.6
  PWR w0.5: v1(182.233,35.097) 182.316,35.097 183.254,34.159 183.608,34.159 U9.11@185.38,32.387
  GND w0.5: U10.5@181,35.337 181.029,35.309 181.813,35.309 182.025,35.097 v1(182.233,35.097)
NetU9_12: U9.12 U10.2 | length 7
  GND w0.5: U10.2@181,39.147 182.575,39.147 184.126,37.596 184.126,36.947 185.189,35.885 185.189,35.118 U9.12@185.38,34.927
NetU9_13: U9.13 U10.3 | length 12.4
  GND w0.5: U10.3@181,37.877 182.575,37.877 183.372,37.08 183.372,36.635 184.126,35.881 184.126,34.407 184.861,33.673 185.899,33.673 186.634,34.407 186.634,36.213 U9.13@185.38,37.467
NetU11_6: U11.6 U12.6 | length 26.1
  GND w0.5: U12.6@150.267,34.056 150.767,34.056 152.369,32.454 152.369,27.565 153.942,25.991 154.981,25.991 155.497,26.508 159.025,26.508 159.541,25.991 162.601,25.991 163.335,26.726 163.335,31.071 U11.6@162.081,32.325
NetU11_7: U11.7 U12.7 | length 34
  GND w0.5: U12.7@150.267,32.786 150.767,32.786 151.615,31.938 151.615,27.252 153.63,25.237 155.293,25.237 155.81,25.754 158.712,25.754 159.229,25.237 162.913,25.237 164.089,26.414 164.089,32.091 162.601,33.579 161.562,33.579 160.827,32.845 160.827,31.039 U11.7@162.081,29.785
NetU11_9: U11.9 U12.4 | length 12.6
  GND w0.5: U12.4@150.267,36.596 152.879,36.596 153.171,36.303 153.171,28.535 U11.9@154.461,27.245
NetU11_10: U11.10 U12.1 | length 17.9
  GND w0.5: U12.1@150.267,40.406 152.512,40.406 153.305,41.199 154.981,41.199 156.469,39.711 156.469,31.793 U11.10@154.461,29.785
NetU11_11: U11.11 U12.5 | length 5.8
  PWR w0.5: v1(152.032,35.326) 152.18,35.179 152.18,34.607 U11.11@154.461,32.325
  GND w0.5: U12.5@150.267,35.326 v1(152.032,35.326) ; U11.11@154.461,32.325 U11.11@154.506,32.28
NetU11_12: U11.12 U12.2 | length 9.5
  GND w0.5: U12.2@150.267,39.136 153.465,39.136 153.942,38.659 154.981,38.659 155.715,37.925 155.715,36.119 U11.12@154.461,34.865
NetU11_13: U11.13 U12.3 | length 4.4
  GND w0.5: U12.3@150.267,37.866 152.269,37.866 152.73,37.405 U11.13@154.461,37.405
NetU13_6: U13.6 U14.6 | length 23.1
  PWR w0.5: v1(119.305,32.205) 119.461,32.205 122.871,28.796 124.908,28.796 128.702,32.59 U13.6@131.01,32.59
  GND w0.254: v1(119.305,32.205) 119.305,33.095 118.9,33.5 118.9,38.27 119.725,39.095 U14.6@120.225,39.095
  GND w0.5: U14.6@120.225,39.095 U14.6@120.725,39.095
NetU13_7: U13.7 U14.7 | length 16.7
  GND w0.5: U14.7@120.225,37.825 120.725,37.825 121.554,36.996 121.554,36.134 121.382,35.962 121.382,32.825 122.871,31.336 129.724,31.336 U13.7@131.01,30.05
NetU13_9: U13.9 U14.4 | length 19.5
  GND w0.5: U14.4@120.225,41.635 118.635,41.635 118.166,41.166 118.166,31.734 119.096,30.804 121.613,30.804 122.136,30.281 122.136,29.531 122.89,28.777 122.89,28.281 123.39,27.781 U13.9@123.39,27.51
NetU13_10: U13.10 U14.1 | length 21.5
  PWR w0.5: v1(121.6,46.261) 121.747,46.408 122.735,46.408 122.871,46.544 123.909,46.544 124.644,45.809 124.644,31.304 U13.10@123.39,30.05
  GND w0.5: U14.1@120.225,45.445 120.754,45.445 121.57,46.261 v1(121.6,46.261)
NetU13_11: U13.11 U14.5 | length 13.6
  GND w0.5: U14.5@120.225,40.365 120.23,40.36 121.843,40.36 122.136,40.067 122.136,39.691 122.871,38.956 123.909,38.956 123.937,38.983 124.351,38.983 124.644,38.691 124.644,37.151 123.909,36.416 122.932,36.416 122.9,36.384 122.871,36.384 122.136,35.649 122.136,33.844 U13.11@123.39,32.59
NetU13_12: U13.12 U14.2 | length 14.4
  GND w0.5: U14.2@120.225,44.175 121.786,44.175 122.079,43.882 122.079,42.287 122.871,41.496 125.105,41.496 125.398,41.203 125.398,36.838 124.222,35.662 124.193,35.662 123.661,35.13 U13.12@123.39,35.13
NetU13_13: U13.13 U14.3 | length 16.6
  PWR w0.5: v1(118.2,43.6) 116.07,41.47 116.07,37.963 116.465,37.568 123.288,37.568 U13.13@123.39,37.67
  GND w0.5: v1(118.2,43.6) 118.895,42.905 U14.3@120.225,42.905 ; U13.13@123.119,37.67 U13.13@123.39,37.67
Q: "MODE SWITCH.6" Q2.3 R73.2 R74.2 TP8.1 | length 139
  PWR w0.5: 19.1,25.546 36.658,25.546 36.98,25.224 61.166,25.224 66.444,19.946 86.224,19.946 86.372,20.094 106.404,20.094 112.282,14.216 128.617,14.216 129.284,14.883 129.284,15.827 127.3,17.811 127.3,21.8 126.1,23 122.108,23 121.508,22.4 v1(121.3,22.4)
  GND w0.5: Q2.3@119.5,21.7 119.575,21.7 119.625,21.65 119.625,21.575 120,21.2 121.598,21.2 ; TP8.1@120.982,24.786 121.3,24.468 v1(121.3,22.4) 121.598,22.102 121.598,21.2 ; R73.2@123.197,22.654 R74.2@123.197,21.2 121.598,21.2
Qn: C4.1 Q1.3 R72.2 R75.1 TP7.1 | length 93.8
  PWR w0.5: v1(121.2,17.8) 121.161,17.839 115.327,17.839 114.6,18.566 114.6,23.707 114.893,24 117.6,24 119,25.4 163.507,25.4 163.8,25.693 163.8,27.507 164.093,27.8 v1(166.6,27.8) ; v1(167.585,21.2) 170,23.615 170,25.6 170.4,26 v1(172.8,26)
  GND w0.5: Q1.3@119.6,17.771 Q1.3@119.625,17.771 ; v1(121.2,17.8) 121.185,17.785 119.64,17.785 Q1.3@119.625,17.771 ; R72.2@123.25,13.9 123.25,15.6 122.75,16.1 120.1,16.1 119.675,16.525 119.675,17.721 Q1.3@119.625,17.771 ; v1(166.6,27.8) 166.747,27.653 167.341,27.653 167.669,27.324 167.669,23.047 167.315,22.694 167.293,22.694 166.687,22.087 166.687,22.012 C4.1@166.562,21.887 166.562,21.812 167.175,21.2 v1(167.585,21.2) ; TP7.1@172.8,24.4 v1(172.8,26)
R: D2.3 R77.1 TP10.1 | length 14.4
  GND w0.5: R77.1@124.75,17.7 125.2,17.7 ; TP10.1@129.4,21.028 129.028,20.656 128.156,20.656 125.2,17.7 ; D2.3@132.473,15.1 129.3,15.1 126.7,17.7 125.2,17.7
S: D1.3 R76.1 TP9.1 | length 16.4
  GND w0.5: R76.1@124.75,19.2 124.75,19.3 127.95,22.5 D1.3@132.6,22.5 ; TP9.1@129.4,18.3 129.461,18.361 131.1,18.361 132.6,19.861 D1.3@132.6,22.5 ; D1.3@133.205,22.5 D1.3@132.6,22.5
pads on no net: D1.2 D5.2 D6.2 D9.2 D14.2 DISP1.8 DISP2.8 U1.1 U1.5 U1.6 U1.7 U1.9 U1.10 U1.11 U1.12 U2.4 U2.14 U3.9 U4.4 U4.14 U5.9 U6.1 U6.2 U6.3 U6.4 U6.6 U6.7 U6.9 U6.10 U6.11 U6.12 U7.4 U7.5 U7.14 U8.9 U9.4 U9.14 U10.9 U11.4 U11.14 U12.9 U13.4 U13.14 U14.9 U15.2 U15.3 U15.4 U15.5 U15.6 U15.7 U15.9 U15.13 U15.14 U15.15 U16.13 U16.14

## Polygon pours and split planes (outlines as drawn)
GND on GND "Gnd polygon" (solid, pour order 0): 200,0 200,58.1 0,58.2 0,0

## Silkscreen, mask and mechanical layers (free items; w line width, h text height)
Top Overlay:
  text "Odwrotna" at 2.054,27.154 h1
  text "Polar." at 2.154,25.554 h1
  text "QUARTZ" at 167.3,2.161 h6
Bottom Overlay:
  lines w0.254: 38.9,55.5 39.8,55.5 ; 122.8,25.8 130,25.8 ; 136.8,29.7 136.803,29.697 ; 39.8,55.5 39.8,55.5 ; 39.8,55.5 39.8,55.5
  lines w0.256: 37,55.5 39.8,55.5 ; 38.15,53.85 39.8,55.5 ; 38.3,57 39.8,55.5 ; 39.8,53.3 39.8,55.5 ; 39.8,57.7 39.8,55.5 ; 41.3,57 39.8,55.5 ; 41.4,53.9 39.8,55.5
  lines w0.5: 39.8,55.5 123.9,55.5
  text "SKNT KONAR" at 183.346,56.254 h1
  text "Artem Horiunov" at 32.346,56.154 h1
  text "Politechnika Wrocławska" at 183.346,54.654 h1
  text "ArtemHoriunov@gmail.com" at 32.346,54.587 h1
  text "Light Time Gate" at 155.6,53.5 h6
  text "-" at 0.754,20.754 h1
  text "+" at 0.754,17.787 h1
  text "5v 0.5A" at 24.146,1.854 h2
  text "03.2023" at 162.746,1.854 h2
  text "REV 0.14" at 181.846,1.854 h2
Bottom Assembly:
  lines w0.254: 136.8,25.397 136.803,25.4
Bottom Component Center:

## Text inside footprints (layer, text, board x,y; h text height)
DISP1: Top Overlay "1" at 176.9,8.123 h1; Top Overlay "7 Segment LED 1.5\"" at 171.079,8.103 h1 r90; Top Overlay "6" at 190.16,48.093 h1; Top Overlay "RDP" at 193.947,14.57 h1
DISP2: Top Overlay "7 Segment LED 1.5\"" at 138.713,9.154 h1 r90; Top Overlay "RDP" at 162.802,14.591 h1; Top Overlay "6" at 159.015,48.114 h1; Top Overlay "1" at 145.755,8.144 h1
DISP3: Top Overlay "7 Segment LED 1.5\"" at 133.987,48.746 h1 r270; Top Overlay "RDP" at 110.446,45.846 h1 r180; Top Overlay "6" at 114.924,10.256 h1 r180; Top Overlay "1" at 128.184,50.226 h1 r180
DISP4: Top Overlay "7 Segment LED 1.5\"" at 77.663,8.154 h1 r90; Top Overlay "RDP" at 100.534,14.624 h1; Top Overlay "6" at 96.744,48.144 h1; Top Overlay "1" at 83.484,8.174 h1
DISP5: Top Overlay "7 Segment LED 1.5\"" at 71.887,41.946 h1 r270; Top Overlay "RDP" at 49.546,46.446 h1 r180; Top Overlay "6" at 52.668,10.256 h1 r180; Top Overlay "1" at 65.928,50.226 h1 r180
DISP6: Top Overlay "1" at 21.224,8.174 h1; Top Overlay "6" at 34.484,48.144 h1; Top Overlay "RDP" at 36.554,22.854 h1; Top Overlay "7 Segment LED 1.5\"" at 15.403,8.154 h1 r90